# Altium PCB MiniPC.PcbDoc (part 14 of 23) (continued)
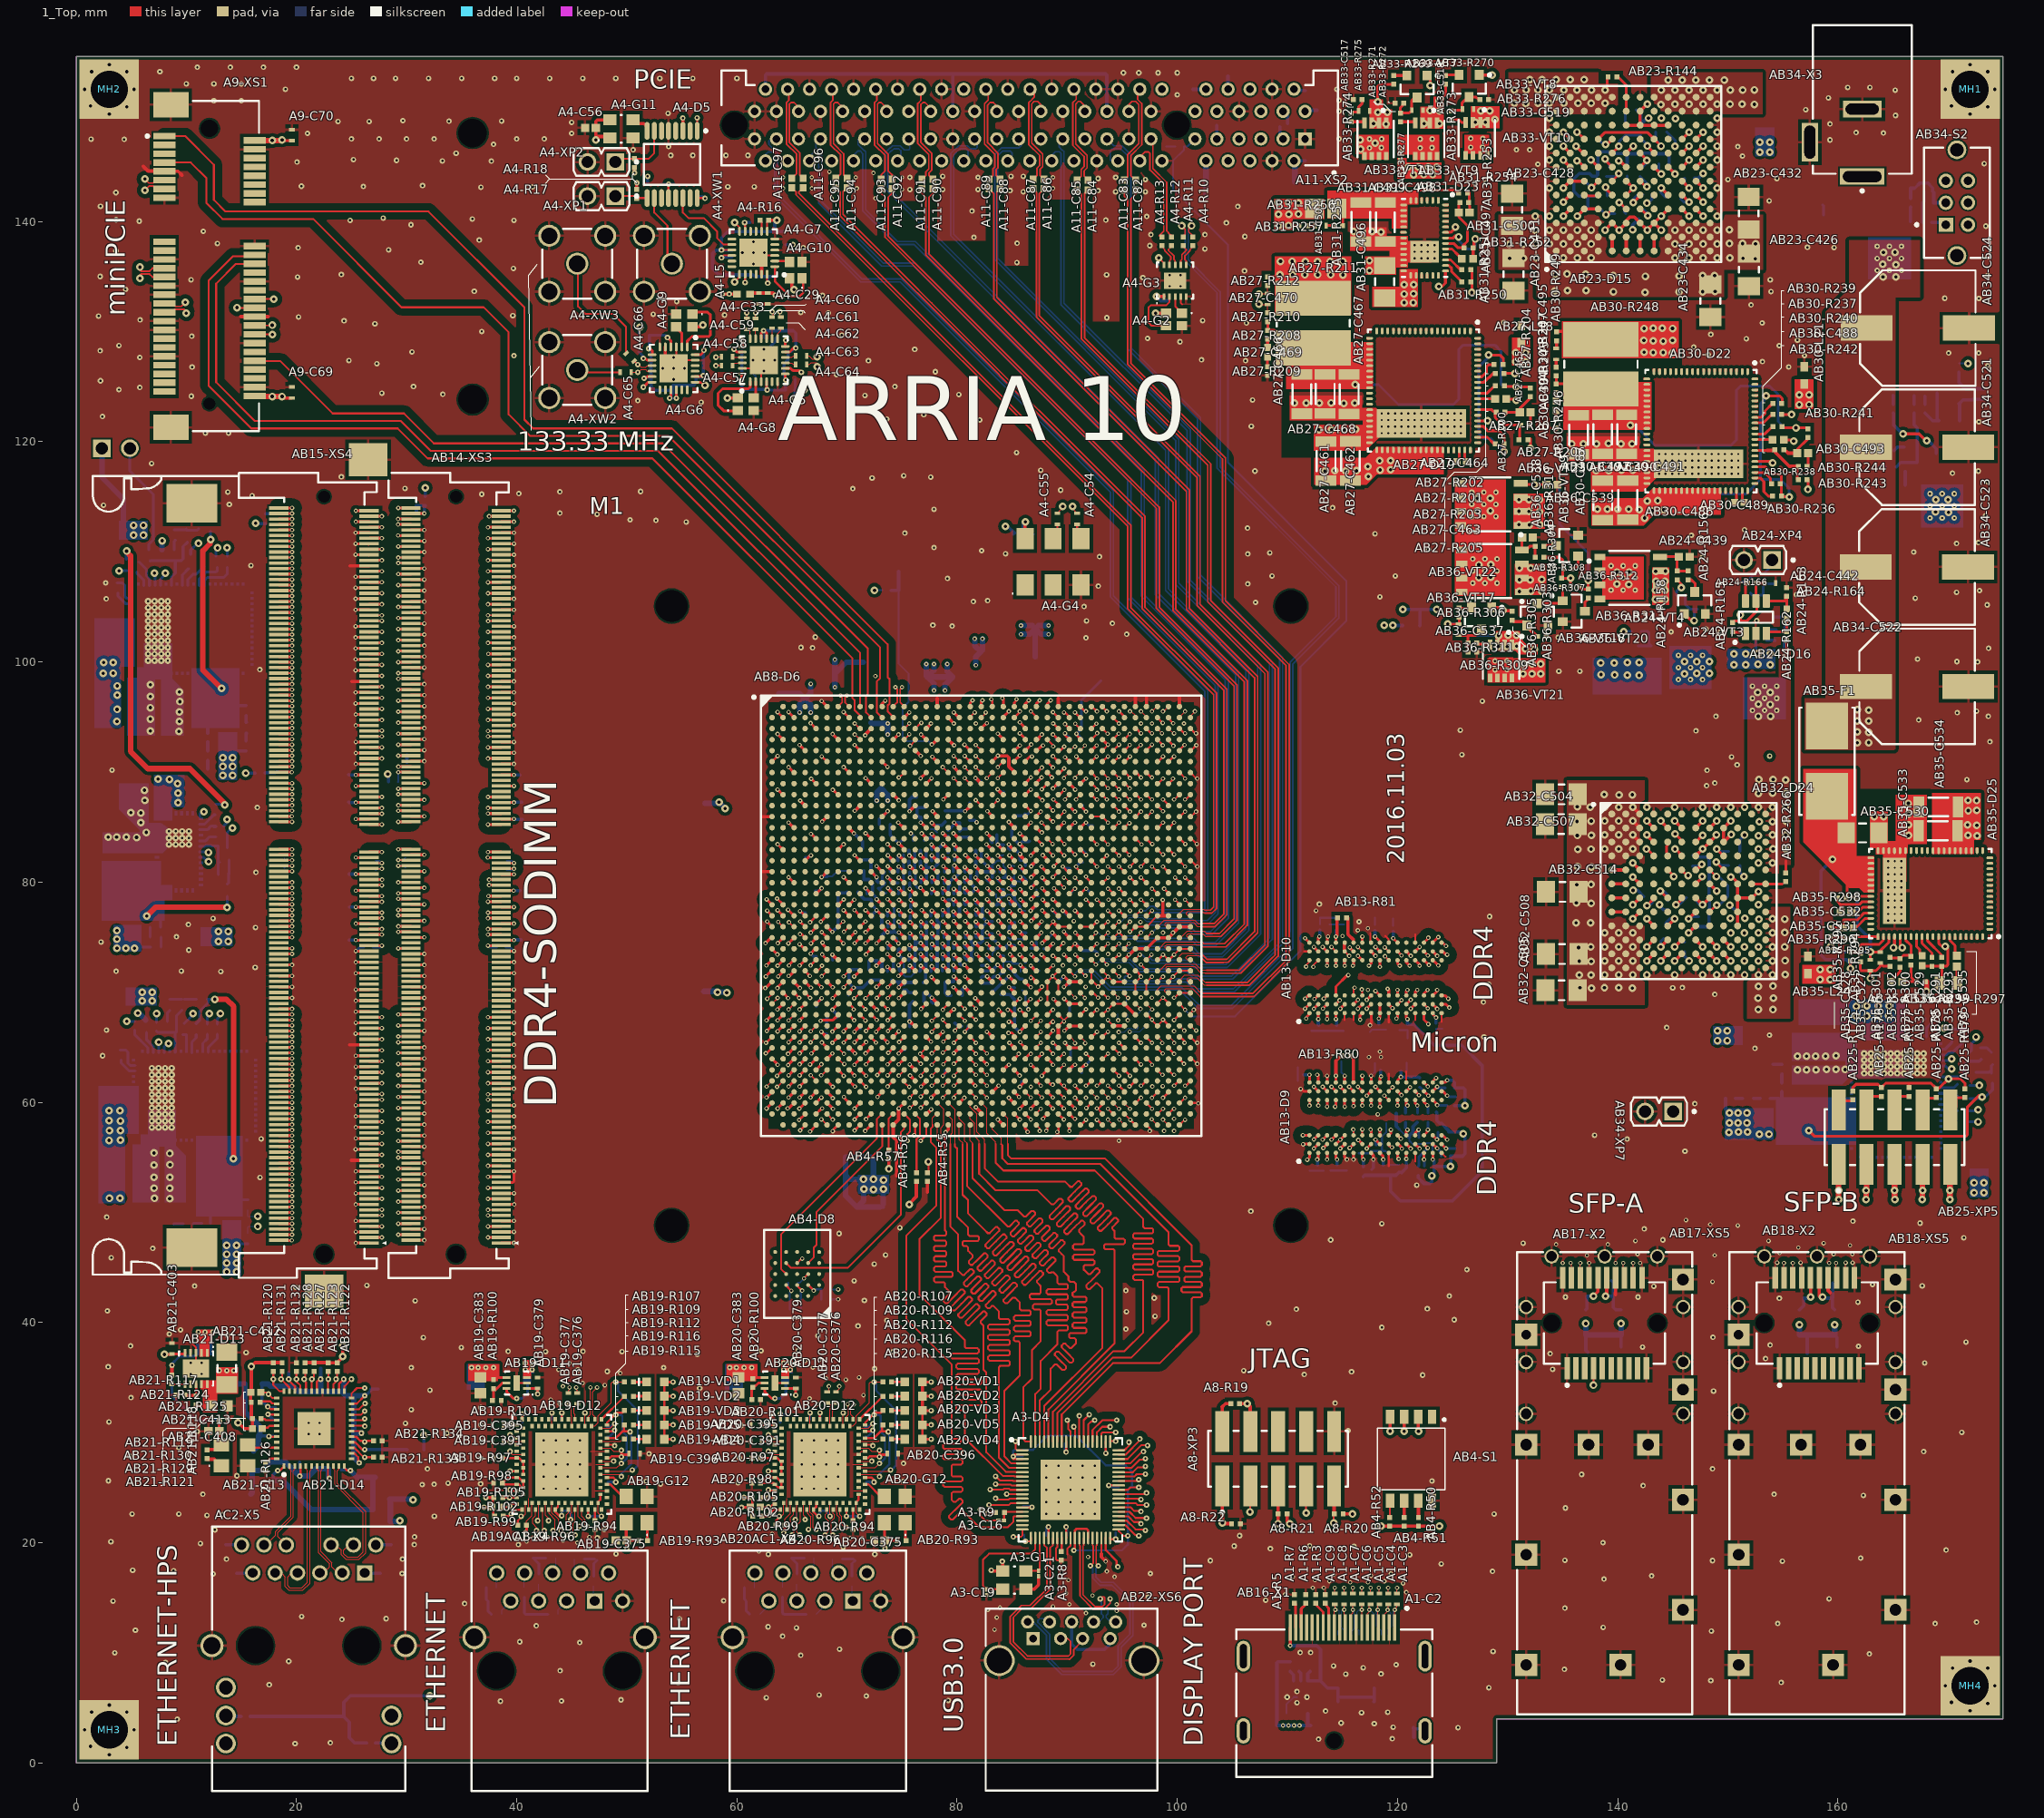
[diagram p0: 1_Top view]
## Nets (pads, with @x,y where several pads share a name; then routed paths per layer and width w, separated by ;. In a path a pad name is that pad's centre, name@x,y a point inside that pad or via, vN(x,y) a via of type N, cw(c..) or ccw(c..) an arc to the next point about the centre after c; other vN are vias at no path point) (continued)
DDR4_INT.CTRL.ACT: AB8-D6.J25 AB13-D9.L3 AB13-D10.L3 | length 87.3
  1_Top w0.25: AB8-D6.J25@87.194,87.939 87.7,87.433 v1(87.733,87.433) ; AB13-D9.L3@120,57 v1(120.3,56.7) ; AB13-D10.L3@120,69.7 v1(120,70.2)
  10_int9_(sign) w0.15: v1(87.733,87.433) 87.817,87.433 88.275,86.975 107.65,86.975 107.75,86.975 107.85,87.075 107.85,87.222 107.95,87.322 108.15,87.322 108.25,87.222 108.25,86.975 108.25,86.628 108.35,86.528 108.55,86.528 108.65,86.628 108.65,86.975 108.65,87.222 108.75,87.322 108.95,87.322 109.05,87.222 109.05,86.975 109.05,86.628 109.15,86.528 109.35,86.528 109.45,86.628 109.45,86.975 109.45,87.222 109.55,87.322 109.75,87.322 109.85,87.222 109.85,86.975 109.85,86.628 109.95,86.528 110.15,86.528 110.25,86.628 110.25,86.875 110.35,86.975 110.725,86.975 112.325,86.975 113.33,87.98 116.42,87.98 116.9,87.5 117.041,87.359 117.254,87.146 117.254,87.005 116.446,86.198 116.446,86.057 116.588,85.915 116.729,85.915 117.607,86.793 118.195,87.381 118.336,87.381 118.478,87.239 118.478,87.098 117.89,86.51 117.012,85.632 117.012,85.491 117.154,85.349 117.295,85.349 118.173,86.227 118.697,86.751 118.838,86.751 118.979,86.61 118.979,86.468 118.456,85.944 117.578,85.067 117.578,84.925 117.719,84.784 117.861,84.784 118.738,85.662 119.262,86.185 119.404,86.185 119.545,86.044 119.545,85.902 119.021,85.379 118.144,84.501 118.144,84.359 118.285,84.218 118.426,84.218 119.304,85.096 119.828,85.62 119.969,85.62 120.111,85.478 120.111,85.337 119.658,84.884 119.658,84.742 119.75,84.65 120.2,84.2 120.2,73.779 119.77,73.349 119.77,71.83 120,71.6 v1(120,70.2) 120,69.601 119.114,68.715 119.114,67.785 119.964,66.935 119.964,66.4 119.964,66.175 119.964,65.838 119.851,65.725 119.446,65.725 119.334,65.613 119.334,65.388 119.446,65.275 119.851,65.275 119.964,65.163 119.964,65.1 119.964,62.565 119.875,62.476 119.875,62.124 120,61.999 120,61.201 119.725,60.926 119.725,60.226 119.575,60.076 119.575,58.026 119.89,57.711 119.89,56.75 120.04,56.6 120.3,56.6 v1(120.3,56.7)
DDR4_INT.CTRL.ALERT0: AB8-D6.L26 AB13-D9.P9 | length 92.3
  1_Top w0.25: AB8-D6.L26@88.194,85.939 88.633,85.5 v1(88.7,85.5) ; AB13-D9.P9@122.4,61.8 122.739,61.461 v1(122.739,61.439)
  12_int11_(sign) w0.15: v1(88.7,85.5) 89.1,85.9 104.2,85.9 108.5,90.2 110.3,90.2 110.4,90.2 110.5,90.3 110.5,91.58 110.6,91.68 110.8,91.68 110.9,91.58 110.9,90.2 111,90.1 111.2,90.1 111.3,90.2 111.3,91.58 111.4,91.68 111.6,91.68 111.7,91.58 111.7,90.2 111.7,89.72 111.8,89.62 112,89.62 112.1,89.72 112.1,90.2 112.1,91.537 112.2,91.637 112.4,91.637 112.5,91.537 112.5,90.2 112.5,89.72 112.6,89.62 112.8,89.62 112.9,89.72 112.9,90.2 112.9,91.027 113,91.127 113.2,91.127 113.3,91.027 113.3,90.2 113.3,89.72 113.4,89.62 113.6,89.62 113.7,89.72 113.7,90.2 113.7,91.027 113.8,91.127 114,91.127 114.1,91.027 114.1,90.2 114.1,89.72 114.2,89.62 114.4,89.62 114.5,89.72 114.5,90.2 114.5,91.216 114.6,91.316 114.8,91.316 114.9,91.216 114.9,90.2 114.9,89.72 115,89.62 115.2,89.62 115.3,89.72 115.3,90.2 115.3,91.58 115.4,91.68 115.6,91.68 115.7,91.58 115.7,90.2 115.7,89.72 115.8,89.62 116,89.62 116.1,89.72 116.1,90.2 116.1,91.58 116.2,91.68 116.4,91.68 116.5,91.58 116.5,90.3 116.6,90.2 117.6,90.2 121.8,90.2 123.225,88.775 123.225,73.924 123.175,73.874 123.175,73.152 123.175,72.748 123.275,72.648 123.275,72.296 123.125,72.147 123.125,70.398 123.147,70.376 123.147,69.268 123.175,69.241 123.175,68.352 123.17,68.347 123.17,68.29 122.19,67.31 122.19,63.534 122.665,63.059 122.665,61.513 v1(122.739,61.439)
DDR4_INT.CTRL.ALERT1: AB8-D6.A22 AB13-D10.P9 | length 70.6
  1_Top w0.25: v1(84.1,96.7) v1@84.194,96.7 ; AB8-D6.A22@84.194,95.939 v1@84.194,96.7 ; AB13-D10.P9@122.4,74.5 122.8,74.9 v1(122.8,74.95) ; v1@84.194,96.7 84.2,96.7 84.194,96.706 v1@84.194,96.7
  5_int4_(sign) w0.15: v1(84.1,96.7) 84.1,98.4 85,99.3 118.125,99.3 119.2,98.225 119.271,98.154 119.412,98.154 119.554,98.154 119.695,98.013 119.695,97.871 119.624,97.801 118.99,97.166 118.99,97.025 119.131,96.883 119.273,96.883 119.836,97.447 119.978,97.447 120.888,96.538 122.8,94.625 122.8,91.011 122.8,87.189 122.8,87.1 122.8,86.98 122.88,86.9 122.98,86.8 122.98,86.6 122.88,86.5 122.8,86.5 122.51,86.5 122.41,86.4 122.41,86.2 122.51,86.1 122.8,86.1 122.88,86.1 122.98,86 122.98,85.8 122.88,85.7 122.8,85.7 122.51,85.7 122.41,85.6 122.41,85.4 122.51,85.3 122.8,85.3 122.88,85.3 122.98,85.2 122.98,85 122.88,84.9 122.8,84.9 122.51,84.9 122.41,84.8 122.41,84.6 122.51,84.5 122.8,84.5 122.88,84.5 122.98,84.4 122.98,84.2 122.88,84.1 122.8,84.1 122.51,84.1 122.41,84 122.41,83.8 122.51,83.7 122.8,83.7 122.88,83.7 122.98,83.6 122.98,83.4 122.88,83.3 122.8,83.3 122.51,83.3 122.41,83.2 122.41,83 122.51,82.9 122.8,82.9 122.88,82.9 122.98,82.8 122.98,82.6 122.88,82.5 122.8,82.42 122.8,82.4 v1(122.8,74.95)
DDR4_INT.CTRL.CAS: AB8-D6.A24 AB13-D9.M8 AB13-D10.M8 | length 91.8
  1_Top w0.25: AB8-D6.A24@86.194,95.939 86.194,96.194 v1(86.5,96.5) ; AB13-D9.M8@120.8,61 121.139,61.339 v1(121.139,61.361) ; AB13-D10.M8@120.8,73.7 v1(121.2,73.3)
  5_int4_(sign) w0.15: v1(86.5,96.5) 86.5,96.9 87.37,97.77 114.209,97.77 114.539,97.439 114.681,97.298 114.893,97.086 114.893,96.944 114.756,96.807 114.756,96.666 114.897,96.524 115.038,96.524 115.176,96.662 115.317,96.662 115.459,96.52 115.459,96.379 115.321,96.241 115.321,96.1 115.463,95.959 115.604,95.959 115.812,96.167 115.916,96.271 116.058,96.271 116.199,96.129 116.199,95.988 116.095,95.884 115.887,95.676 115.887,95.534 116.028,95.393 116.17,95.393 116.307,95.53 116.449,95.53 116.661,95.318 116.944,95.035 117,94.979 117,94.779 117,94.479 116.9,94.379 116.71,94.379 116.61,94.279 116.61,94.079 116.71,93.979 116.996,93.979 117,93.975 117,93.6 117,93.5 117.1,93.4 117.189,93.4 117.289,93.3 117.289,93.1 117.189,93 117,93 116.71,93 116.61,92.9 116.61,92.7 116.71,92.6 116.9,92.6 117,92.5 117,92.3 116.9,92.2 116.71,92.2 116.61,92.1 116.61,91.9 116.71,91.8 116.9,91.8 117,91.7 117,91.5 116.9,91.4 116.71,91.4 116.61,91.3 116.61,91.1 116.71,91 116.9,91 117,90.9 117,90.7 116.9,90.6 116.71,90.6 116.61,90.5 116.61,90.3 116.71,90.2 116.9,90.2 117,90.1 117,89.9 116.9,89.8 116.71,89.8 116.61,89.7 116.61,89.5 116.71,89.4 117,89.4 117.49,89.4 117.59,89.3 117.59,89.1 117.49,89 117,89 116.71,89 116.61,88.9 116.61,88.7 116.71,88.6 116.9,88.6 117,88.5 117,87.9 117.2,87.7 117.341,87.559 117.554,87.346 117.554,87.205 116.711,86.362 116.711,86.221 116.852,86.08 116.994,86.08 117.907,86.993 118.438,87.524 118.579,87.524 118.721,87.382 118.721,87.241 118.19,86.71 116.972,85.492 116.972,85.351 117.114,85.209 117.255,85.209 118.473,86.427 118.991,86.945 119.132,86.945 119.273,86.804 119.273,86.662 118.826,86.215 118.826,86.074 119.26,85.64 120.3,84.6 120.3,78 120.9,77.4 120.9,73.6 v1(121.2,73.3) 121.2,73.001 121.525,72.676 121.525,72.224 120.475,71.174 120.475,69.826 120.775,69.526 120.775,69.124 120.775,68.252 121.002,68.025 121.375,68.025 121.5,67.9 121.5,67.5 121.255,67.255 121.255,62.975 121,62.72 121,62.57 121.37,62.2 121.37,61.91 121.24,61.78 120.91,61.78 120.7,61.57 120.7,60.902 120.775,60.827 120.775,60.275 120.9,60.15 121.051,60.15 121.19,60.01 121.35,60.01 121.49,60.15 121.49,60.36 121.375,60.475 121.375,61.125 v1(121.139,61.361)
DDR4_INT.CTRL.CKE: AB8-D6.P25 AB13-D9.K2 AB13-D10.K2 | length 85
  1_Top w0.25: v1(86.7,82.4) 86.7,82.445 AB8-D6.P25@87.194,82.939 ; AB13-D9.K2@119.2,56.2 119.2,56.1 119.461,55.839 119.5,55.878 v1(119.5,55.9) ; AB13-D10.K2@119.2,68.9 119.2,68.878 v1(119.539,68.539)
  12_int11_(sign) w0.15: v1(86.7,82.4) 87.2,81.9 107.4,81.9 108.7,80.6 109.5,80.6 109.725,80.6 110.062,80.6 110.175,80.487 110.175,79.827 110.287,79.715 110.512,79.715 110.625,79.827 110.625,80.6 110.625,81.334 110.737,81.447 110.962,81.447 111.075,81.334 111.075,80.6 111.075,79.827 111.187,79.715 111.412,79.715 111.525,79.827 111.525,80.6 111.525,81.334 111.637,81.447 111.862,81.447 111.975,81.334 111.975,80.6 111.975,79.827 112.087,79.715 112.312,79.715 112.425,79.827 112.425,80.6 112.425,81.373 112.537,81.485 112.762,81.485 112.875,81.373 112.875,80.6 112.875,79.827 112.987,79.715 113.212,79.715 113.325,79.827 113.325,80.6 113.325,81.282 113.437,81.394 113.662,81.394 113.775,81.282 113.775,80.6 113.775,79.827 113.887,79.715 114.112,79.715 114.225,79.827 114.225,80.6 114.225,81.282 114.337,81.394 114.562,81.394 114.675,81.282 114.675,80.6 114.675,79.827 114.787,79.715 115.012,79.715 115.125,79.827 115.125,80.6 115.125,81.282 115.237,81.394 115.462,81.394 115.575,81.282 115.575,80.712 115.687,80.6 116.4,80.6 118.53,80.6 119.075,80.055 119.075,78.775 119.075,78.675 119.175,78.575 119.393,78.575 119.493,78.475 119.493,78.275 119.393,78.175 119.075,78.175 118.175,78.175 118.075,78.075 118.075,77.875 118.175,77.775 119.075,77.775 119.393,77.775 119.493,77.675 119.493,77.475 119.393,77.375 119.175,77.375 119.075,77.275 119.075,77 119.075,74.426 119.325,74.176 119.325,72.125 118.675,71.475 118.675,70.124 118.924,69.875 ; 118.924,69.875 119.499,69.3 119.499,68.579 v1(119.539,68.539) 118.86,67.86 118.86,66.719 119,66.579 119,66.354 119,66.016 118.888,65.904 118.364,65.904 118.252,65.791 118.252,65.566 118.364,65.454 118.888,65.454 119,65.341 119,65.3 119,61.299 119.305,60.994 119.305,60.4 118.975,60.07 118.975,56.425 118.8,56.25 118.8,55.69 118.89,55.6 119.2,55.6 v1(119.5,55.9)
DDR4_INT.CTRL.CLK_N: AB8-D6.B19 AB13-D9.K8 AB13-D10.K8 | length 91.6
  1_Top w0.15: AB8-D6.B19@81.194,94.939 81.194,94.994 v1(81.6,95.4) ; v1(118.839,74.061) AB13-D10.K8@119.2,73.7 ; AB13-D9.K8@119.2,61 119.539,61.339 v1(119.539,61.361)
  5_int4_(sign) w0.13: v1(81.6,95.4) 81.625,95.425 82.025,95.425 82.4,95.8 82.8,95.8 84.1,94.5 84.661,94.5 85.296,95.135 86.091,95.135 86.186,95.04 89.543,95.04 89.549,95.035 89.851,95.035 ; 89.851,95.035 89.951,95.035 89.956,95.04 90.543,95.04 90.549,95.035 90.951,95.035 90.956,95.04 98.409,95.04 98.424,95.055 98.926,95.055 98.941,95.04 109.4,95.04 110.86,95.04 112.04,93.86 112.04,90.101 111.799,89.86 103.335,89.86 103.115,89.64 103.115,87.474 103.219,87.37 111.63,87.37 111.669,87.37 112.04,86.999 112.04,83.2 115.3,79.94 116.259,79.94 117.4,78.799 117.4,76.87 118.57,75.7 118.6,75.7 118.7,75.6 118.7,74.2 v1(118.839,74.061) 118.899,74.061 119.565,73.396 119.565,72.026 118.685,71.145 118.685,70.128 118.7,70.113 118.7,68.187 119.055,67.832 119.055,66.955 119.21,66.8 120.061,66.8 120.245,66.616 120.245,65.752 120.053,65.56 119.1,65.56 119.055,65.515 119.055,65 119.155,64.9 119.86,64.9 120.245,64.515 120.245,64.105 119.95,63.81 119.46,63.81 119.055,63.405 119.055,63.005 119.375,62.685 119.375,61.525 v1(119.539,61.361) v1@119.504,61.361
DDR4_INT.CTRL.CLK_P: AB8-D6.B20 AB13-D9.K7 AB13-D10.K7 | length 91.2
  1_Top w0.15: AB8-D6.B20@82.194,94.939 82.6,95.345 v1(82.6,95.4) ; v1(118.8,60.6) AB13-D9.K7@119.2,60.2 ; v1(118.861,73.261) 118.861,73.239 AB13-D10.K7@119.2,72.9
  5_int4_(sign) w0.13: v1(82.6,95.4) 82.861,95.4 84.001,94.26 84.76,94.26 85.395,94.895 85.951,94.895 86.046,94.8 89.444,94.8 89.449,94.795 89.95,94.795 90.051,94.795 90.056,94.8 90.444,94.8 90.449,94.795 91.05,94.795 91.056,94.8 98.509,94.8 98.524,94.815 98.826,94.815 98.841,94.8 109.499,94.8 110.7,94.8 111.8,93.7 111.8,90.2 111.7,90.1 103.2,90.1 102.875,89.775 102.875,87.375 103.12,87.13 105.07,87.13 111.57,87.13 111.8,86.9 111.8,83.101 115.201,79.7 116.16,79.7 117.16,78.7 117.16,76.77 118.415,75.515 118.415,73.355 118.63,73.14 118.74,73.14 v1(118.861,73.261) 119.239,73.261 119.3,73.2 119.3,72.1 118.445,71.245 118.445,70.029 118.46,70.013 118.46,68.027 118.815,67.672 118.815,66.856 119.111,66.56 119.901,66.56 120.005,66.456 120.005,65.905 119.9,65.8 119.001,65.8 118.815,65.614 118.815,64.901 119.055,64.66 119.761,64.66 120.005,64.416 120.005,64.204 119.851,64.05 119.361,64.05 118.815,63.504 118.815,62.845 119.135,62.525 119.135,60.935 v1(118.8,60.6)
DDR4_INT.CTRL.CSn: AB8-D6.A26 AB13-D9.L7 AB13-D10.L7 | length 92.9
  1_Top w0.25: AB8-D6.A26@88.194,95.939 88.194,96.194 v1(88.5,96.5) ; v1(120,59.7) AB13-D9.L7@120,60.2 ; AB13-D10.L7@120,72.9 120,72.6 v1(120.2,72.4)
  5_int4_(sign) w0.15: v1(88.5,96.5) 88.75,96.75 112.65,96.75 114.7,94.7 114.7,91.8 114.7,91.6 114.7,91.3 114.6,91.2 113.108,91.2 113.008,91.1 113.008,90.9 113.108,90.8 114.6,90.8 114.7,90.7 114.7,90.5 114.6,90.4 113.108,90.4 113.008,90.3 113.008,90.1 113.108,90 114.6,90 114.7,89.9 114.7,89.7 114.6,89.6 113.108,89.6 113.008,89.5 113.008,89.3 113.108,89.2 114.6,89.2 114.7,89.1 114.7,88.9 114.6,88.8 113.108,88.8 113.008,88.7 113.008,88.5 113.108,88.4 114.6,88.4 114.7,88.3 114.7,88.1 114.6,88 113.108,88 113.008,87.9 113.008,87.7 113.108,87.6 114.6,87.6 114.7,87.5 114.7,87.3 114.6,87.2 113.108,87.2 113.008,87.1 113.008,86.9 113.108,86.8 114.6,86.8 114.7,86.7 114.7,86.4 114.7,85.9 114.7,84.5 115.15,84.05 115.221,83.979 115.362,83.979 115.387,84.004 115.528,84.004 115.67,83.863 115.67,83.721 115.574,83.626 114.592,82.643 114.592,82.502 114.733,82.36 114.875,82.36 115.857,83.343 115.952,83.438 116.094,83.438 116.235,83.297 116.235,83.155 116.211,83.131 116.211,82.989 116.375,82.825 119.1,80.1 119.1,75.151 119.175,75.076 119.175,74.525 119.925,73.775 119.925,72.782 120.3,72.407 120.293,72.4 v1(120.2,72.4)
  7_int6_(sign) w0.15: v1(120,59.7) 119.9,59.8 119.9,61.101 120.1,61.301 120.1,61.899 119.475,62.524 119.475,63.1 119.45,63.125 118.197,63.125 118.084,63.238 118.084,63.463 118.197,63.575 119.475,63.575 119.743,63.575 119.855,63.688 119.855,63.913 119.743,64.025 119.587,64.025 119.475,64.138 119.475,64.475 119.475,64.7 119.475,64.725 119.475,65.175 119.475,65.625 119.475,66.075 119.475,66.3 119.475,66.4 119.475,67.874 119.964,68.363 119.964,69.035 119.575,69.424 119.575,71.575 120.2,72.2 v1(120.2,72.4)
DDR4_INT.CTRL.ODT: AB8-D6.K26 AB13-D9.K3 AB13-D10.K3 | length 94.1
  1_Top w0.25: AB8-D6.K26@88.194,86.939 88.261,86.939 v1(88.7,86.5) ; v1(119.1,70.3) 119.2,70.2 AB13-D10.K3@119.2,69.7 ; AB13-D9.K3@119.2,57 119.4,57.2 v1(119.4,57.5)
  10_int9_(sign) w0.15: v1(88.7,86.5) 88.875,86.5 89.425,85.95 105.225,85.95 105.325,85.95 105.425,86.05 105.525,86.15 105.725,86.15 105.825,86.05 105.825,85.95 105.825,84.177 105.925,84.077 106.125,84.077 106.225,84.177 106.225,85.95 106.325,86.05 106.525,86.05 106.625,85.95 106.625,86.05 106.725,85.95 107.75,85.95 112.6,85.95 113.725,87.075 114.625,87.075 118.5,83.2 118.5,82.9 118.5,82.2 118.6,82.1 119.228,82.1 119.328,82 119.328,81.8 119.228,81.7 118.5,81.7 117.072,81.7 116.972,81.6 116.972,81.4 117.072,81.3 118.5,81.3 119.228,81.3 119.328,81.2 119.328,81 119.228,80.9 118.5,80.9 117.072,80.9 116.972,80.8 116.972,80.6 117.072,80.5 118.5,80.5 119.228,80.5 119.328,80.4 119.328,80.2 119.228,80.1 118.5,80.1 117.072,80.1 116.972,80 116.972,79.8 117.072,79.7 118.5,79.7 119.228,79.7 119.328,79.6 119.328,79.4 119.228,79.3 118.5,79.3 117.072,79.3 116.972,79.2 116.972,79 117.072,78.9 118.5,78.9 119.228,78.9 119.328,78.8 119.328,78.6 119.228,78.5 118.5,78.5 117.072,78.5 116.972,78.4 116.972,78.2 117.072,78.1 118.5,78.1 119.228,78.1 119.328,78 119.328,77.8 119.228,77.7 118.5,77.7 117.072,77.7 116.972,77.6 116.972,77.4 117.072,77.3 118.4,77.3 118.5,77.2 118.5,77.1 118.5,75.399 119.4,74.499 119.4,72.9 119.1,72.6 v1(119.1,70.3) 119.1,69.224 118.744,68.868 118.744,65.256 119.225,64.775 119.225,63.26 119.225,63.148 119.338,63.035 119.341,63.035 119.454,62.923 119.454,62.698 119.341,62.585 119.225,62.585 119.037,62.585 118.925,62.473 118.925,62.248 119.037,62.135 119.113,62.135 119.225,62.023 119.225,61.9 119.225,61.726 119.114,61.615 119.114,61.185 119.225,61.074 119.225,60.32 119,60.095 119,57.8 118.9,57.7 118.9,56.9 119.08,56.72 119.22,56.72 119.4,56.9 v1(119.4,57.5)
DDR4_INT.CTRL.PAR: AB8-D6.D24 AB13-D9.T3 AB13-D10.T3 | length 95.8
  1_Top w0.25: v1(85.7,93.5) 86.106,93.094 86.194,93.094 AB8-D6.D24@86.194,92.939 ; AB13-D9.T3@124,57 124.1,57 v1(124.5,56.6) ; AB13-D10.T3@124,69.7 124.304,69.7 v1(124.604,69.4)
  7_int6_(sign) w0.15: v1(85.7,93.5) 86.975,94.775 88.55,94.775 88.75,94.975 108.37,94.975 108.825,94.52 109.4,94.52 109.5,94.52 109.6,94.62 109.6,95.16 109.7,95.26 109.9,95.26 110,95.16 110,94.62 110.1,94.52 110.3,94.52 110.4,94.62 110.4,95.16 110.5,95.26 110.7,95.26 110.8,95.16 110.8,94.62 110.9,94.52 111.95,94.52 123.83,94.52 126.38,91.97 126.38,88.6 126.38,88.5 126.48,88.4 126.99,88.4 127.09,88.3 127.09,88.1 126.99,88 126.38,88 126.21,88 126.11,87.9 126.11,87.7 126.21,87.6 126.38,87.6 126.99,87.6 127.09,87.5 127.09,87.3 126.99,87.2 126.38,87.2 126.21,87.2 126.11,87.1 126.11,86.9 126.21,86.8 126.38,86.8 126.99,86.8 127.09,86.7 127.09,86.5 126.99,86.4 126.38,86.4 126.21,86.4 126.11,86.3 126.11,86.1 126.21,86 126.38,86 126.99,86 127.09,85.9 127.09,85.7 126.99,85.6 126.38,85.6 126.21,85.6 126.11,85.5 126.11,85.3 126.21,85.2 126.38,85.2 126.99,85.2 127.09,85.1 127.09,84.9 126.99,84.8 126.38,84.8 126.21,84.8 126.11,84.7 126.11,84.5 126.21,84.4 126.38,84.4 126.38,71.101 124.679,69.4 v1(124.604,69.4) 124.604,69.304 124.2,68.9 124.2,68.199 124.6,67.799 124.6,66.546 125.5,65.646 125.5,65.1 125.5,64.02 125.6,63.92 126.751,63.92 126.851,63.82 126.851,63.62 126.751,63.52 125.5,63.52 125.4,63.52 125.3,63.42 125.3,63.22 125.4,63.12 125.5,63.02 125.5,62.92 125.5,60.599 124.7,59.799 124.7,56.9 124.5,56.7 v1(124.5,56.6)
DDR4_INT.CTRL.RAS: AB8-D6.A25 AB13-D9.L8 AB13-D10.L8 | length 93.3
  1_Top w0.25: AB8-D6.A25@87.194,95.939 87.194,96.194 v1(87.5,96.5) ; AB13-D9.L8@120,61 v1(120.35,60.65) ; AB13-D10.L8@120,73.7 120.35,73.35 v1(120.35,73.328)
  5_int4_(sign) w0.15: v1(87.5,96.5) 87.5,97.179 87.581,97.26 113.44,97.26 116.1,94.6 116.1,93.811 116.1,93.7 116.1,93.5 116.192,93.408 116.192,93.192 116.1,93.1 115.31,93.1 115.21,93 115.21,92.8 115.31,92.7 116,92.7 116.1,92.6 116.1,92.4 116,92.3 115.31,92.3 115.21,92.2 115.21,92 115.31,91.9 116,91.9 116.1,91.8 116.1,91.6 116,91.5 115.31,91.5 115.21,91.4 115.21,91.2 115.31,91.1 116,91.1 116.1,91 116.1,90.8 116,90.7 115.31,90.7 115.21,90.6 115.21,90.4 115.31,90.3 116,90.3 116.1,90.2 116.1,90 116,89.9 115.31,89.9 115.21,89.8 115.21,89.6 115.31,89.5 116,89.5 116.1,89.4 116.1,89.2 116,89.1 115.31,89.1 115.21,89 115.21,88.8 115.31,88.7 116,88.7 116.1,88.6 116.1,88.4 116,88.3 115.31,88.3 115.21,88.2 115.21,88 115.31,87.9 116.1,87.9 116.4,87.9 116.5,87.8 116.5,87.6 116.4,87.5 116.1,87.5 115.31,87.5 115.21,87.4 115.21,87.2 115.31,87.1 116.1,87.1 116.327,87.1 116.427,87 116.427,86.8 116.327,86.7 116.1,86.7 115.31,86.7 115.21,86.6 115.21,86.4 115.31,86.3 116,86.3 116.1,86.2 116.1,86.1 116.1,85.3 117.1,84.3 117.171,84.229 117.312,84.229 117.853,84.77 117.994,84.77 118.136,84.629 118.136,84.487 117.595,83.946 117.595,83.805 117.7,83.7 117.988,83.413 118.058,83.342 118.2,83.342 119.054,84.196 119.195,84.196 119.337,84.054 119.337,83.913 118.412,82.988 118.137,82.713 118.137,82.572 118.278,82.431 118.42,82.431 118.652,82.663 118.737,82.663 119.7,81.7 119.7,77.5 120.2,77 120.2,74.1 120.35,73.95 v1(120.35,73.328) 120.371,73.328 120.67,73.029 120.67,72.07 120,71.4 120,70.801 119.824,70.625 119.575,70.376 119.575,69.104 120.325,68.354 120.325,67.424 120.745,67.004 120.745,65.545 120.4,65.2 120.4,65.067 120.745,64.722 120.745,63.245 120.591,63.091 119.939,63.091 119.83,62.983 119.83,62.169 120.3,61.699 120.3,61.4 119.34,60.44 119.34,60.26 119.475,60.125 120.325,60.125 120.4,60.2 120.4,60.6 v1(120.35,60.65) 120.372,60.65 v1@120.4,60.679
DDR4_INT.CTRL.RESETn: AB8-D6.L25 AB13-D9.P1 AB13-D10.P1 AB13-R82.1 | length 93.4
  1_Top w0.25: AB8-D6.L25@87.194,85.939 87.194,85.994 v1(87.6,86.4) ; v1(122.4,54.8) AB13-D9.P1@122.4,55.4 ; AB13-D10.P1@122.4,68.1 122.4,67.5 v1(122.8,67.1)
  12_int11_(sign) w0.15: v1(87.6,86.4) 88.125,86.925 102.825,86.925 108.2,92.3 113.5,92.3 113.725,92.3 114.062,92.3 114.175,92.188 114.175,92.112 114.287,92 114.512,92 114.625,92.112 114.625,92.3 114.625,93.506 114.737,93.619 114.962,93.619 115.075,93.506 115.075,92.3 115.185,92.19 115.415,92.19 115.525,92.3 115.525,93.506 115.637,93.619 115.862,93.619 115.975,93.506 115.975,92.3 116.085,92.19 116.315,92.19 116.425,92.3 116.875,92.3 117.1,92.3 117.325,92.3 117.662,92.3 117.775,92.412 117.775,93.506 117.887,93.619 118.112,93.619 118.225,93.506 118.225,92.412 118.337,92.3 118.5,92.3 121.3,92.3 124.5,89.1 124.5,88.5 124.5,88.4 124.6,88.3 125.135,88.3 125.235,88.2 125.235,88 125.135,87.9 124.5,87.9 124.1,87.9 124,87.8 124,87.6 124.1,87.5 124.5,87.5 125.135,87.5 125.235,87.4 125.235,87.2 125.135,87.1 124.6,87.1 124.5,87 124.5,86.275 124.5,75.199 123.876,74.575 123.8,74.499 123.8,73.701 124.025,73.476 124.025,72.698 124.125,72.598 124.125,72.246 124.025,72.147 124.025,69.8 124.025,67.624 123.601,67.2 122.9,67.2 v1(122.8,67.1) 122.8,66.4 122.8,66.288 122.912,66.175 123.756,66.175 123.868,66.063 123.868,65.838 123.756,65.725 122.912,65.725 122.8,65.613 122.8,65.4 122.8,63.9 123.175,63.525 123.175,62.775 123.075,62.675 123.075,62.024 123.175,61.924 123.175,60.826 123.225,60.776 123.225,60.424 123.175,60.374 123.175,59.016 123.181,59.01 123.181,56.826 123.153,56.798 123.153,56.222 123.175,56.2 123.175,55.475 122.5,54.8 v1(122.4,54.8)
  16_Bottom w0.25: v1(122.4,54.8) 122.425,54.775 122.425,54.175
DDR4_INT.CTRL.WEn: AB8-D6.N25 AB13-D9.L2 AB13-D10.L2 | length 85.5
  1_Top w0.25: AB8-D6.N25@87.194,83.939 87.7,83.433 v1(87.7,83.4) ; AB13-D9.L2@120,56.2 120.065,56.2 120.365,55.9 120.335,55.87 120.4,55.805 v1(120.4,55.78) ; AB13-D10.L2@120,68.9 120.372,69.272 v1(120.35,69.272)
  12_int11_(sign) w0.15: v1(87.7,83.4) 88.05,83.05 96.905,83.05 96.93,83.075 104.45,83.075 104.775,83.4 109.5,83.4 109.725,83.4 110.062,83.4 110.175,83.288 110.175,82.131 110.287,82.019 110.512,82.019 110.625,82.131 110.625,83.4 110.625,84.156 110.737,84.268 110.962,84.268 111.075,84.156 111.075,83.4 111.075,82.131 111.187,82.019 111.412,82.019 111.525,82.131 111.525,83.4 111.525,84.028 111.637,84.141 111.862,84.141 111.975,84.028 111.975,83.512 112.087,83.4 112.425,83.4 112.8,83.4 113.025,83.4 113.362,83.4 113.475,83.288 113.475,82.131 113.587,82.019 113.812,82.019 113.925,82.131 113.925,83.4 114.037,83.512 114.262,83.512 114.375,83.4 114.375,82.131 114.487,82.019 114.712,82.019 114.825,82.131 114.825,83.4 114.825,84.669 114.937,84.781 115.162,84.781 115.275,84.669 115.275,83.4 115.275,82.131 115.387,82.019 115.612,82.019 115.725,82.131 115.725,83.288 115.837,83.4 116.175,83.4 116.4,83.4 116.45,83.4 116.675,83.4 116.775,83.5 116.775,84.183 116.875,84.283 117.075,84.283 117.175,84.183 117.175,83.4 117.175,82.617 117.275,82.517 117.475,82.517 117.575,82.617 117.575,83.3 117.675,83.4 117.775,83.4 118.3,83.4 120.003,81.697 120.003,75.098 120.025,75.076 120.025,73.604 119.775,73.354 119.775,70.576 119.575,70.376 119.575,70.024 120.327,69.272 v1(120.35,69.272) 120.4,69.222 120.4,68.701 119.475,67.776 119.475,66.825 119.875,66.425 119.875,65.4 119.875,65.175 119.965,65.085 119.965,64.815 119.875,64.725 119.622,64.725 119.51,64.613 119.51,64.388 119.622,64.275 119.763,64.275 119.875,64.163 119.875,63.9 119.875,61.626 120,61.501 120,61 119.7,60.7 119.7,60.201 119.345,59.846 119.345,58.485 119.875,57.955 119.875,56.926 119.875,56.876 119.875,56.126 120.221,55.78 v1(120.4,55.78)
DDR4_INT.DL1.DM0: AB8-D6.AV28 AB13-D9.E7 | length 48.1
  1_Top w0.25: AB8-D6.AV28@90.194,58.939 90.667,58.467 90.7,58.433 v1(90.7,58.5) ; v1(115.2,59.6) AB13-D9.E7@115.2,60.2
  5_int4_(sign) w0.15: v1(90.7,58.5) 91.3,57.9 100.15,57.9 100.85,57.2 101.575,57.2 102.575,58.2 102.575,58.575 102.675,58.675 102.746,58.746 102.746,58.887 102.223,59.409 102.223,59.551 102.365,59.692 102.506,59.692 103.099,59.099 103.692,58.506 103.834,58.506 103.975,58.648 103.975,58.789 103.382,59.382 102.789,59.975 102.789,60.117 102.931,60.258 103.072,60.258 103.665,59.665 104.258,59.072 104.399,59.072 104.541,59.213 104.541,59.355 103.948,59.948 103.569,60.326 103.569,60.468 103.711,60.609 103.852,60.609 104.231,60.231 104.824,59.638 104.965,59.638 105.106,59.779 105.106,59.92 104.584,60.443 104.584,60.584 104.796,60.796 105.05,61.05 105.25,61.05 105.55,61.05 105.65,61.15 105.65,61.319 105.75,61.419 105.95,61.419 106.05,61.319 106.05,61.05 106.05,60.685 106.15,60.585 106.35,60.585 106.45,60.685 106.45,61.05 106.45,61.668 106.55,61.768 106.75,61.768 106.85,61.668 106.85,61.05 106.85,60.406 106.95,60.306 107.15,60.306 107.25,60.406 107.25,60.95 107.35,61.05 107.65,61.05 109.35,61.05 110.141,60.259 ; 110.283,60.117 110.141,60.259 ; v1(115.2,59.6) 115.2,60 115.075,60.125 114.824,60.125 114.524,60.125 114.424,60.225 114.424,60.888 114.324,60.988 114.124,60.988 114.024,60.888 114.024,60.125 114.024,60.112 113.924,60.012 113.724,60.012 113.624,60.112 113.624,60.125 113.624,60.888 113.524,60.988 113.324,60.988 113.224,60.888 113.224,60.225 113.124,60.125 112.924,60.125 112.824,60.225 112.824,60.888 112.724,60.988 112.524,60.988 112.424,60.888 112.424,60.225 112.324,60.125 112.024,60.125 111.824,60.125 111.434,59.735 110.665,59.735 110.424,59.976 110.141,60.259
DDR4_INT.DL1.DQ0: AB8-D6.AV26 AB13-D9.G2 | length 42.1
  1_Top w0.25: v1(87.8,58.5) 87.8,58.545 AB8-D6.AV26@88.194,58.939 ; v1(116.431,56.578) AB13-D9.G2@116.779,56.229 ; AB13-D9.G2@116.75,56.2 AB13-D9.G2@116.8,56.2
  5_int4_(sign) w0.15: v1(87.8,58.5) 87,57.7 87,56.45 89.99,53.46 109.41,53.46 ; 109.25,53.5 109.35,53.5 109.45,53.6 109.45,53.888 109.55,53.988 109.75,53.988 109.85,53.888 109.85,53.5 109.85,53.475 109.95,53.375 110.15,53.375 110.25,53.475 110.25,53.5 110.25,53.745 110.35,53.845 110.55,53.845 110.65,53.745 110.65,53.5 110.65,53.475 110.75,53.375 110.95,53.375 111.05,53.475 111.05,53.5 111.05,54.238 111.15,54.338 111.35,54.338 111.45,54.238 111.45,53.6 111.55,53.5 112,53.5 112.67,54.17 112.896,54.17 116.24,54.17 116.425,54.355 116.425,55.175 116.2,55.4 115.4,55.4 115.225,55.575 115.225,56.425 115.378,56.578 v1(116.431,56.578)
DDR4_INT.DL1.DQ1: AB8-D6.AW28 AB13-D9.F7 | length 48
  1_Top w0.25: AB8-D6.AW28@90.194,57.939 90.194,57.406 v1(90.2,57.4) ; AB13-D9.F7@116,60.2 v1(116,59.65) ; v1(116,59.65) 116,59.6 v1(116,59.65)
  5_int4_(sign) w0.15: v1(90.2,57.4) 90.325,57.525 94.35,57.525 95.185,56.69 95.3,56.69 95.4,56.69 95.5,56.79 95.5,57.378 95.6,57.478 95.8,57.478 95.9,57.378 95.9,56.69 95.9,56.522 96,56.422 96.2,56.422 96.3,56.522 96.3,56.69 96.3,57.378 96.4,57.478 96.6,57.478 96.7,57.378 96.7,56.79 96.8,56.69 96.975,56.69 101.286,56.69 102.125,56.69 102.225,56.69 102.325,56.79 102.325,56.85 102.425,56.95 102.625,56.95 102.725,56.85 102.725,56.69 102.725,56.61 102.825,56.51 103.025,56.51 103.125,56.61 103.125,56.69 103.125,57.59 103.225,57.69 103.425,57.69 103.525,57.59 103.525,56.79 103.625,56.69 103.925,56.69 104.29,56.69 104.431,56.831 104.644,57.044 104.785,57.044 105.083,56.746 105.224,56.746 105.366,56.887 105.366,57.028 104.997,57.397 104.361,58.034 104.361,58.175 104.502,58.316 104.644,58.316 105.28,57.68 105.649,57.311 105.79,57.311 105.931,57.453 105.931,57.594 105.563,57.963 104.926,58.599 104.926,58.741 105.068,58.882 105.209,58.882 105.846,58.246 106.214,57.877 106.356,57.877 106.497,58.018 106.497,58.16 106.128,58.528 105.492,59.165 105.492,59.306 105.633,59.448 105.775,59.448 106.411,58.811 106.78,58.443 106.921,58.443 107.063,58.584 107.063,58.725 106.694,59.094 106.058,59.731 106.058,59.872 106.199,60.013 106.341,60.013 106.906,59.448 107.048,59.448 107.26,59.66 107.4,59.8 107.6,59.8 107.9,59.8 108,59.7 108,59.3 108.1,59.2 108.3,59.2 108.4,59.3 108.4,59.7 108.5,59.8 108.8,59.8 109.2,59.8 109.3,59.8 109.875,59.225 110.075,59.225 110.475,59.225 110.65,59.225 111.298,59.225 111.548,58.975 114.993,58.975 115.178,59.16 115.82,59.16 116,59.34 v1(116,59.65)